# Allegro board 6089-119-RevA_41.brd (continued)
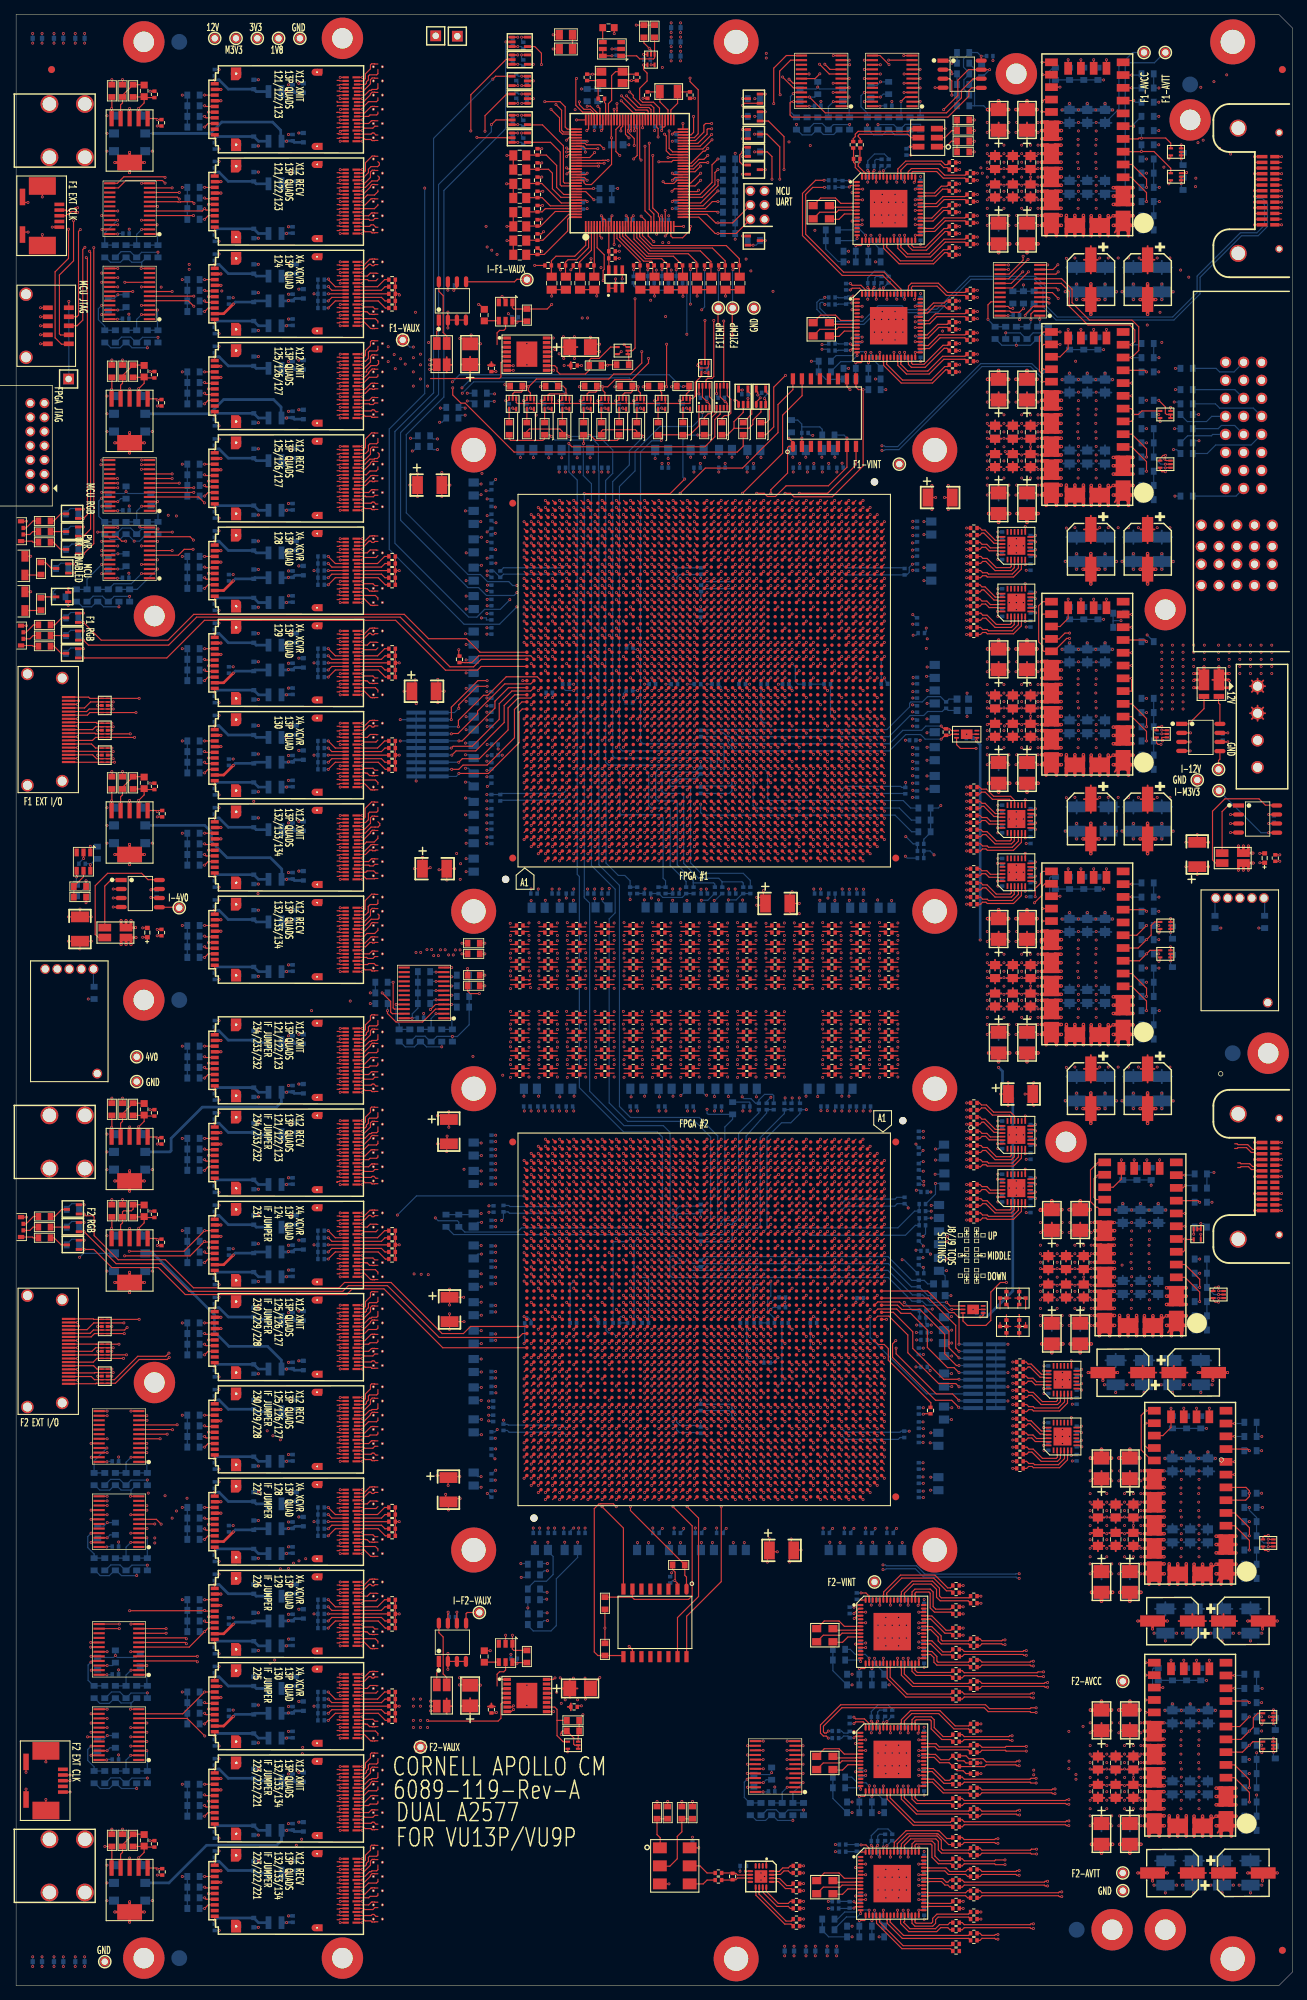
[diagram p0: board, top side]
## Routing (per net, layer and track width the routed paths; a pad name or vN(x,y) marks a point on that pad's centre or on a via; arc(x,y) is an arc through that point) (continued)
; U75.J38 v1(79.61,196.29) ; U77.BA36 v1(81.61,83.51) ; U75.AB27 v1(92.61,185.29) ; R63.1 R64.1 R65.1 ; U8.3 v1(11.5,85.9) ; U75.J43 v1(79.61,201.29) ; U75.T41 v1(86.61,199.29) ; 152.65,199.6 v1(152.65,199.59) ; U77.AR40 v1(87.61,79.51) ; U77.E3 v1(118.39,117.29) ; U75.BF19 v1(117.39,176.51) ; v1(60.9,52.65) 60.9,52.35 60.87,52.31 U46.7 ; U77.BJ21 v1(73.61,99.29) ; U77.T51 v1(107.39,68.51) ; U75.E36 v1(75.61,194.29) ; U75.D1 v1(74.61,158.51) ; U30A.B1 v1(45.69,190.9) ; U37A.A1 v1(48.81,95.9) ; U77.AP15 v1(88.61,105.29) ; U75.C2 v1(73.61,159.51) ; U29A.B7 v1(45.69,200.9) ; U77.AN18 v1(89.61,102.29) ; U75.W12 v1(89.61,169.51) ; U80.3 v1(103.16,223.65) ; U77.AN4 v1(89.61,116.29) ; U75.AY6 v1(111.39,163.51) ; U33A.B4 v1(45.69,150.4) ; 152.65,161.6 v1(152.65,161.59) ; U77.AJ30 v1(93.61,89.51) ; U75.AT41 v1(107.39,199.29) ; U75.AU43 v1(108.39,201.29) ; U77.AW8 v1(83.61,112.29) ; Q16.2 v1(102.4,255.25) ; U75.BF45 v1(117.39,203.29) ; U77.BL16 v1(71.61,104.29) ; U75.AA32 v1(91.61,190.29) ; U77.H34 v1(115.39,85.51) ; U77.K29 v1(113.39,90.51) ; U75.H17 v1(78.61,174.51) ; U77.AH35 v1(94.61,84.51) ; C154.2 C155.2 v1(94,238.05) ; U77.AF7 v1(97.39,113.29) ; U27A.B10 v1(45.69,225.4) ; U75.BK21 v1(121.39,178.51) ; U77.E31 v1(118.39,88.51) ; U75.Y29 v1(90.61,187.29) ; C28.2 v1(65.45,231.36) ; U75.AL16 v1(102.39,173.51) ; U75.AJ32 v1(100.39,190.29) ; U77.AE22 v1(98.39,98.29) ; R67.1 R66.1 R65.1 ; U77.L48 v1(112.39,71.51) ; U28A.B4 v1(45.69,215.4) ; U75.F16 v1(76.61,173.51) ; U77.B19 v1(121.39,101.29) ; U75.W44 v1(89.61,202.29) ; U33A.A4 v1(48.81,150.4) ; U75.BA47 v1(112.39,205.29) ; C136.2 v1(88.36,265.95) ; v1(130.87,209.7) C295.2 ; C295.2 131.4,210.26 v1(131.4,211.4) ; U75.AC14 v1(93.61,171.51) ; U77.AN48 v1(89.61,71.51) ; U75.L47 v1(81.61,205.29) ; U75.P2 v1(84.61,159.51) ; U75.W3 v1(89.61,160.51) ; U57.16 75.72,43.17 75.95,43.4 75.95,43.38 v1(75.97,43.38) ; 177.43,109.22 v1(178.38,109.22) ; U75.AM29 v1(103.39,187.29) ; U75.W18 v1(89.61,175.51) ; U75.A39 v1(71.61,197.29) ; U77.BK31 v1(72.61,88.51) ; U75.AT2 v1(107.39,159.51) ; U77.AR26 v1(87.61,94.29) ; U77.BE3 v1(77.61,117.29) ; U35A.B10 v1(45.69,117.4) ; U75.AA12 v1(91.61,169.51) ; U77.AJ26 v1(93.61,94.29) ; U75.AF17 v1(97.39,174.51) ; U75.F46 v1(76.61,204.29) ; v1(87.02,223.34) 87.33,223.34 87.5,223.51 U69.3 ; U77.E36 v1(118.39,83.51) ; U75.V29 v1(88.61,187.29) ; U77.AK21 v1(92.61,99.29) ; U25A.B1 v1(45.69,255.9) ; U77.K50 v1(113.39,69.51) ; U75.C3 v1(73.61,160.51) ; U77.BK6 v1(72.61,114.29) ; U75.BH41 v1(119.39,199.29) ; U77.K38 v1(113.39,81.51) ; U77.AJ43 v1(93.61,76.51) ; U28A.A13 v1(48.81,210.9) ; U24A.A1 v1(48.81,268.9) ; U77.AT27 v1(86.61,92.51) ; U77.BC8 v1(79.61,112.29) ; U77.AK25 v1(92.61,95.29) ; 81.5,230.9 C95.2 v1(80.96,232.29) ; 81.5,230.9 81.5,230.42 81.67,230.25 v1(82.25,230.25) ; U75.D19 v1(74.61,176.51) ; U27A.A10 v1(48.81,225.4) ; U77.BD2 v1(78.61,118.29) ; U75.AM11 v1(103.39,168.51) ; C23.2 v1(60.01,213.21) ; C23.2 v1(61.15,211.45) ; C23.2 v1(60.01,209.84) ; U77.AW38 v1(83.61,81.51) ; U77.AG20 v1(95.61,100.29) ; 172.31,163.76 v1(171.19,163.76) ; U77.AL40 v1(91.61,79.51) ; U77.D41 v1(119.39,78.51) ; U75.BL48 v1(122.39,206.29) ; U29A.B16 v1(45.69,196.4) ; U75.AJ5 v1(100.39,162.51) ; U77.W48 v1(104.39,71.51) ; U77.BA4 v1(81.61,116.29) ; U75.AY51 v1(111.39,209.29) ; U75.H34 v1(78.61,192.29) ; U75.Y5 v1(90.61,162.51) ; U75.D2 v1(74.61,159.51) ; U75.AU49 v1(108.39,207.29) ; U77.BE12 v1(77.61,108.29) ; U77.BF21 v1(76.61,99.29) ; U75.BH36 v1(119.39,194.29) ; U77.E48 v1(118.39,71.51) ; U77.BG4 v1(75.61,116.29) ; U75.AU3 v1(108.39,160.51) ; U75.H46 v1(78.61,204.29) ; U77.AA48 v1(102.39,71.51) ; C27.2 v1(63.14,93.59) ; C27.2 v1(61.1,92.49) ; C27.2 v1(61.1,94.68) ; U77.R3 v1(108.39,117.29) ; J3.6 v1(4.2,31.55) ; U75.AW44 v1(110.39,202.29) ; U75.AR49 v1(106.39,207.29) ; U75.BD27 v1(115.39,185.29) ; U75.AH12 v1(99.39,169.51) ; U77.AC44 v1(100.39,75.51) ; U21.3 v1(16,106.71) ; U77.D19 v1(119.39,101.29) ; U75.AU28 v1(108.39,186.29) ; R45.1 v1(54.01,186.4) ; R45.1 R46.1 R47.1 ; U75.W22 v1(89.61,179.51) ; U75.AA3 v1(91.61,160.51) ; U77.N47 v1(110.39,72.51) ; U75.AL49 v1(102.39,207.29) ; U77.H31 v1(115.39,88.51) ; U77.AG44 v1(95.61,75.51) ; U75.AD27 v1(94.61,185.29) ; U75.AB7 v1(92.61,164.51) ; Q17.2 v1(103.9,245.25) ; U77.AE34 v1(98.39,85.51) ; U27A.B1 v1(45.69,229.9) ; U75.BE48 v1(116.39,206.29) ; U75.AE40 v1(95.61,198.29) ; U75.AP50 v1(105.39,208.29) ; U75.H1 v1(78.61,158.51) ; P2.8 v1(174.58,255.32) ; U33A.B1 v1(45.69,151.9) ; U75.AL22 v1(102.39,179.51) ; U77.K42 v1(113.39,77.51) ; U77.B33 v1(121.39,86.51) ; U75.AF27 v1(97.39,185.29) ; U75.L36 v1(81.61,194.29) ; U77.D27 v1(119.39,92.51) ; U30A.A7 v1(48.81,187.9) ; U75.C40 v1(73.61,198.29) ; U75.BA4 v1(112.39,161.51) ; U75.BK49 v1(121.39,207.29) ; U75.AA30 v1(91.61,188.29) ; U77.BH51 v1(74.61,68.51) ; U77.AB23 v1(101.39,97.29) ; U75.W4 v1(89.61,161.51) ; J3.8 v1(1.4,30.08) ; U75.AD29 v1(94.61,187.29) ; U75.V31 v1(88.61,189.29) ; v1(107.49,114.31) 107.39,114.31 107.39,114.29 U77.T6 ; U77.BH32 v1(74.61,87.51) ; U28A.B10 v1(45.69,212.4) ; U75.BJ45 v1(120.39,203.29) ; U77.AD23 v1(99.39,97.29) ; U77.BD27 v1(78.61,92.51) ; U75.AY2 v1(111.39,159.51) ; U77.AP29 v1(88.61,90.51) ; U77.G16 v1(116.39,104.29) ; U77.AG48 v1(95.61,71.51) ; U75.BB51 v1(113.39,209.29) ; v1(17.44,205.54) 17.5,205.54 17.5,205.47 U18.12 ; J3.7 v1(4.2,26.25) ; U26A.B4 v1(45.69,241.4) ; U75.U47 v1(87.61,205.29) ; U77.AT11 v1(86.61,109.29) ; U77.AE16 v1(98.39,104.29) ; U25A.B10 v1(45.69,251.4) ; U75.Y11 v1(90.61,168.51) ; U75.BJ21 v1(120.39,178.51) ; U75.BC3 v1(114.39,160.51) ; U43A.B10 v1(45.69,13.4) ; U56.16 v1(75.72,232.18) ; U75.AC22 v1(93.61,179.51) ; U75.K1 v1(80.61,158.51) ; U77.AD46 v1(99.39,73.51) ; U75.AY19 v1(111.39,176.51) ; U75.AC44 v1(93.61,202.29) ; U77.BA5 v1(81.61,115.29) ; U77.BL18 v1(71.61,102.29) ; U112.3 162.15,214.9 162.12,214.93 162,214.93 162,215.11 v1(161.92,215.11) ; U75.D46 v1(74.61,204.29) ; U77.BK36 v1(72.61,83.51) ; U77.U30 v1(106.39,89.51) ; J6.17 v1(8.82,92.96) ; U75.AB10 v1(92.61,167.51) ; U75.BL18 v1(122.39,175.51) ; U77.AJ28 v1(93.61,91.51) ; U41A.B16 v1(45.69,36.4) ; U77.AH12 v1(94.61,108.29) ; U77.M6 v1(111.39,114.29) ; J4.9 v1(3.44,231.36) ; U77.H35 v1(115.39,84.51) ; U77.Y37 v1(103.39,82.51) ; R19.1 v1(13.5,22.07) ; U77.AB47 v1(101.39,72.51) ; U77.AG36 v1(95.61,83.51) ; U75.AW4 v1(110.39,161.51) ; U77.AR49 v1(87.61,70.51) ; U75.AU4 v1(108.39,161.51) ; U75.A26 v1(71.42,183.9) ; U43A.B16 v1(45.69,10.4) ; U77.BG21 v1(75.61,99.29) ; U77.BG16 v1(75.61,104.29) ; U75.BG36 v1(118.39,194.29) ; U75.AM15 v1(103.39,172.51) ; U75.AD33 v1(94.61,191.29) ; C19.2 v1(19.9,104.3) ; U75.AN40 v1(104.39,198.29) ; J3.9 v1(1.4,27.72) ; C41.2 C40.2 v1(69.2,245.9) ; U75.U13 v1(87.61,170.51) ; U75.AF50 v1(97.39,208.29) ; U77.AB19 v1(101.39,101.29) ; U77.F20 v1(117.39,100.29) ; U31A.B16 v1(45.69,170.4) ; U75.AG48 v1(98.39,206.29) ; U75.D33 v1(74.61,191.29) ; v1(161.5,176.93) 161.62,176.93 161.65,176.9 U110.3 ; U77.W34 v1(104.39,85.51) ; U77.K14 v1(113.39,106.29) ; U75.V10 v1(88.61,167.51) ; U77.AL36 v1(91.61,83.51) ; U77.AF17 v1(97.39,103.29) ; U77.BF19 v1(76.61,101.29) ; U77.AL47 v1(91.61,72.51) ; U77.BJ9 v1(73.61,111.29) ; U75.AU18 v1(108.39,175.51) ; U75.J4 v1(79.61,161.51) ; U77.BE37 v1(77.61,82.51) ; U77.AA24 v1(102.39,96.29) ; U77.V45 v1(105.39,74.51) ; v1(60.7,117.54) 60.7,118.34 C26.2 ; U75.AD5 v1(94.61,162.51) ; U39A.B19 v1(45.69,60.9) ; U77.BJ18 v1(73.61,102.29) ; U68.114 80.1,254.8 v1(80.5,254.4) ; U42A.B4 v1(45.69,29.4) ; U75.D27 v1(74.61,185.29) ; U75.AA24 v1(91.61,181.51) ; U75.AN14 v1(104.39,171.51) ; U75.BC4 v1(114.39,161.51) ; 136.32,95.3 v1(134.9,95.3) ; U77.BE5 v1(77.61,115.29) ; U77.AF15 v1(97.39,105.29) ; U75.AB2 v1(92.61,159.51) ; U75.K7 v1(80.61,164.51) ; U75.AR3 v1(106.39,160.51) ; U77.M38 v1(111.39,81.51) ; U77.AU47 v1(85.61,72.51) ; U42A.A16 v1(48.81,23.4) ; U75.AD1 v1(94.61,158.51) ; U77.AC34 v1(100.39,85.51) ; R12.1 v1(9.86,155.7) ; U77.AU48 v1(85.61,71.51) ; U75.AH33 v1(99.39,191.29) ; U75.H15 v1(78.61,172.51) ; U75.C16 v1(73.61,173.51) ; U77.BJ36 v1(73.61,83.51) ; U75.W28 v1(89.61,186.29) ; U77.AA40 v1(102.39,79.51) ; U75.BK20 v1(121.39,177.51) ; U77.AM17 v1(90.61,103.29) ; U75.R34 v1(85.61,192.29) ; U77.M33 v1(111.39,86.51) ; U77.BC12 v1(79.61,108.29) ; U75.B47 v1(72.61,205.29) ; U77.F5 v1(117.39,115.29) ; U77.AM46 v1(90.61,73.51) ; U75.BF33 v1(117.39,191.29) ; U75.G4 v1(77.61,161.51) ; U77.BL44 v1(71.61,75.51) ; C38.2 C39.2 v1(69.18,247.9) ; U75.BF42 v1(117.39,200.29) ; U77.U28 v1(106.39,91.51) ; U25A.A19 v1(48.81,246.9) ; U75.N5 v1(83.61,162.51) ; U77.AC48 v1(100.39,71.51) ; U75.W30 v1(89.61,188.29) ; U77.BE17 v1(77.61,103.29) ; U107.13 v1(153.7,195.38) ; U77.BC47 v1(79.61,72.51) ; U77.L16 v1(112.39,104.29) ; U77.AV42 v1(84.61,77.51) ; U77.AB35 v1(101.39,84.51) ; U77.G21 v1(116.39,99.29) ; U77.F21 v1(117.39,99.29) ; U77.BH46 v1(74.61,73.51) ; U77.AR47 v1(87.61,72.51) ; U75.AL8 v1(102.39,165.51) ; U75.N38 v1(83.61,196.29) ; U77.H20 v1(115.39,100.29) ; U77.AN22 v1(89.61,98.29) ; U77.AD25 v1(99.39,95.29) ; C12.2 v1(18.89,123.45) ; U77.AA4 v1(102.39,116.29) ; U77.AW4 v1(83.61,116.29) ; C17.2 v1(19.89,148.85) ; U77.AL8 v1(91.61,112.29) ; U77.AG24 v1(95.61,96.29) ; U75.BE16 v1(116.39,173.51) ; U77.AN30 v1(89.61,89.51) ; U75.AR4 v1(106.39,161.51) ; U77.AD39 v1(99.39,80.51) ; U75.AG32 v1(98.39,190.29) ; U75.BL34 v1(122.39,192.29) ; U77.D7 v1(119.39,113.29) ; U77.H36 v1(115.39,83.51) ; U77.AA49 v1(102.39,70.51) ; U75.E49 v1(75.61,207.29) ; U75.AA43 v1(91.61,201.29) ; U77.F19 v1(117.39,101.29) ; U75.R24 v1(85.61,181.51) ; U77.AM6 v1(90.61,114.29) ; U77.B5 v1(121.39,115.29) ; U75.AL32 v1(102.39,190.29) ; U37A.B7 v1(45.69,92.9) ; U75.AN43 v1(104.39,201.29) ; U75.R48 v1(85.61,206.29) ; U75.H21 v1(78.61,178.51) ; U27A.B19 v1(45.69,220.9) ; U77.AY1 v1(82.61,119.29) ; U31A.A16 v1(48.81,170.4) ; U75.AE4 v1(95.61,161.51) ; U77.BF42 v1(76.61,77.51) ; U75.BG34 v1(118.39,192.29) ; C115.2 v1(84.31,275.06) ; U27A.A1 v1(48.81,229.9) ; U75.BE24 v1(116.39,181.51) ; U77.F16 v1(117.39,104.29) ; U77.V31 v1(105.39,88.51) ; U77.AY29 v1(82.61,90.51) ; U77.F2 v1(117.39,118.29) ; U75.F33 v1(76.61,191.29) ; U75.V51 v1(88.61,209.29) ; U75.H41 v1(78.61,199.29) ; U77.R24 v1(108.39,96.29) ; U75.BC40 v1(114.39,198.29) ; U77.AW5 v1(83.61,115.29) ; U77.AV15 v1(84.61,105.29) ; U26A.A16 v1(48.81,235.4) ; U3.8 v1(13.5,180.4) ; U75.AW12 v1(110.39,169.51) ; U75.AD50 v1(94.61,208.29) ; R15.1 v1(13.5,229.07) ; U75.T50 v1(86.61,208.29) ; U77.AB37 v1(101.39,82.51) ; U75.BC14 v1(114.39,171.51) ; U77.AN9 v1(89.61,111.29) ; U34A.B19 v1(45.69,125.9) ; U77.G31 v1(116.39,88.51) ; U75.H31 v1(78.61,189.29) ; U77.AT51 v1(86.61,68.51) ; U75.AP33 v1(105.39,191.29) ; U77.AM11 v1(90.61,109.29) ; U77.AJ5 v1(93.61,115.29) ; U75.L14 v1(81.61,171.51) ; U77.H51 v1(115.39,68.51) ; U75.A13 v1(71.61,170.51) ; U75.U30 v1(87.61,188.29) ; U77.AG32 v1(95.61,87.51) ; U77.AC8 v1(100.39,112.29) ; U75.M11 v1(82.61,168.51) ; U77.F36 v1(117.39,83.51) ; U77.L4 v1(112.39,116.29) ; U77.BJ34 v1(73.61,85.51) ; U24A.A7 v1(48.81,265.9) ; U75.AF25 v1(97.39,182.51) ; U75.F14 v1(76.61,171.51) ; U32A.A10 v1(48.81,160.4) ; U75.AF37 v1(97.39,195.29) ; U75.L4 v1(81.61,161.51) ; U77.BK4 v1(72.61,116.29) ; U39A.A4 v1(48.81,68.4) ; v1(68.25,43.4) 68.47,43.17 U57.1 ; U66.3 86.05,230.9 v1(85.7,231.25) ; U77.J14 v1(114.39,106.29) ; U77.AG40 v1(95.61,79.51) ; U75.AU47 v1(108.39,205.29) ; U77.AW49 v1(83.61,70.51) ; U77.AK2 v1(92.61,118.29) ; U53.3 v1(71.28,266.56) ; U77.H25 v1(115.39,95.29) ; U75.BD38 v1(115.39,196.29) ; U77.AU4 v1(85.61,116.29) ; U75.AT29 v1(107.39,187.29) ; U77.B49 v1(121.39,70.51) ; U75.BE33 v1(116.39,191.29) ; U115.3 v1(164.24,259.38) ; U77.AD33 v1(99.39,86.51) ; U77.D45 v1(119.39,74.51) ; U75.AT27 v1(107.39,185.29) ; U75.AB15 v1(92.61,172.51) ; U77.BE16 v1(77.61,104.29) ; U20.3 v1(16,121.01) ; U28A.B7 v1(45.69,213.9) ; U75.K47 v1(80.61,205.29) ; U77.AU30 v1(85.61,89.51) ; U77.B10 v1(121.39,110.29) ; U77.AF2 v1(97.39,118.29) ; U77.BH31 v1(74.61,88.51) ; U77.AL20 v1(91.61,100.29) ; U75.AP10 v1(105.39,167.51) ; U77.AM33 v1(90.61,86.51) ; U75.F31 v1(76.61,189.29) ; v1(60.75,119.73) 60.75,118.89 C26.2 ; U77.BJ17 v1(73.61,103.29) ; U75.AR22 v1(106.39,179.51) ; U77.B45 v1(121.39,74.51) ; U75.A21 v1(71.61,178.51) ; U77.J47 v1(114.39,72.51) ; P3.2 v1(174.58,118.83) ; U75.K38 v1(80.61,196.29) ; U75.AA16 v1(91.61,173.51) ; U77.AK47 v1(92.61,72.51) ; U77.D15 v1(119.39,105.29) ; U77.AM38 v1(90.61,81.51) ; U75.AF42 v1(97.39,200.29) ; C26.2 v1(59.4,118.64) ; U75.R4 v1(85.61,161.51) ; U77.AM31 v1(90.61,88.51) ; U77.BG31 v1(75.61,88.51) ; U77.AR44 v1(87.61,75.51) ; U77.M1 v1(111.39,119.29) ; U75.BA26 v1(112.39,184.29) ; U77.AT50 v1(86.61,69.51) ; U77.AB25 v1(101.39,95.29) ; U75.BB38 v1(113.39,196.29) ; P2.20 v1(174.58,250.53) ; U77.J3 v1(114.39,117.29) ; U75.AF10 v1(97.39,167.51) ; U75.V7 v1(88.61,164.51) ; U75.U14 v1(87.61,171.51) ; U77.AW32 v1(83.61,87.51) ; U77.AM15 v1(90.61,105.29) ; U77.AT25 v1(86.61,95.29) ; U77.AB15 v1(101.39,105.29) ; U27A.A4 v1(48.81,228.4) ; U77.BB45 v1(80.61,74.51) ; J4.5 v1(3.44,233.9) ; U38A.A4 v1(48.81,81.4) ; U77.A34 v1(122.39,85.51) ; U75.K5 v1(80.61,162.51) ; U77.B38 v1(121.39,81.51) ; v1(69.18,257.9) C34.2 C35.2 ; U77.AK31 v1(92.61,88.51) ; U75.AW40 v1(110.39,198.29) ; U75.AP47 v1(105.39,205.29) ; 153.7,270.18 v1(153.7,271.38) ; U77.BA47 v1(81.61,72.51) ; U75.AG22 v1(98.39,179.51) ; U75.BD2 v1(115.39,159.51) ; U77.AJ47 v1(93.61,72.51) ; U75.G49 v1(77.61,207.29) ; v1(127.89,80.54) 127.94,80.6 R140.2 ; U75.L38 v1(81.61,196.29) ; U77.AP1 v1(88.61,119.29) ; U75.C7 v1(73.61,164.51) ; U77.AV50 v1(84.61,69.51) ; U75.M38 v1(82.61,196.29) ; U75.BG48 v1(118.39,206.29) ; U77.F38 v1(117.39,81.51) ; v1(65.3,139.8) 64,139.8 63.64,140.16 R79.2 ; U75.P5 v1(84.61,162.51) ; U77.AR8 v1(87.61,112.29) ; U77.BE14 v1(77.61,106.29) ; U6.8 v1(13.5,92.9) ; U75.BG17 v1(118.39,174.51) ; U77.BB5 v1(80.61,115.29) ; U42A.B16 v1(45.69,23.4) ; U77.BK19 v1(72.61,101.29) ; U77.AD19 v1(99.39,101.29) ; U75.Y1 v1(90.61,158.51) ; C194.2 C193.2 v1(100,238.08) ; U102.12 v1(145.43,242.47) ; U77.AA16 v1(102.39,104.29) ; U75.AW49 v1(110.39,207.29) ; U77.AJ36 v1(93.61,83.51) ; U77.BL21 v1(71.61,99.29) ; U77.AN32 v1(89.61,87.51) ; Q1.2 v1(8.1,200.35) ; U29A.B13 v1(45.69,197.9) ; U77.AH17 v1(94.61,103.29) ; U77.BD1 v1(78.61,119.29) ; U75.AG34 v1(98.39,192.29) ; C96.2 81.5,41.9 81.5,42.65 v1(82.28,43.43) ; C96.2 80.2,42.66 v1(80.2,43.35) ; P2.19 v1(178.38,250.53) ; U77.BJ22 v1(73.61,98.29) ; U75.AD51 v1(94.61,209.29) ; U77.P51 v1(109.39,68.51) ; U75.Y46 v1(90.61,204.29) ; U77.BK32 v1(72.61,87.51) ; U77.BL8 v1(71.61,112.29) ; v1(67.7,38.5) 67.65,38.45 C33.2 ; U77.C36 v1(120.39,83.51) ; U77.AJ16 v1(93.61,104.29) ; U77.AR38 v1(87.61,81.51) ; U32A.B4 v1(45.69,163.4) ; U75.BL44 v1(122.39,202.29) ; U77.R44 v1(108.39,75.51) ; U75.BK7 v1(121.39,164.51) ; U77.BA38 v1(81.61,81.51) ; U77.BG49 v1(75.61,70.51) ; U77.AA3 v1(102.39,117.29) ; U75.AR47 v1(106.39,205.29) ; U77.BJ43 v1(73.61,76.51) ; U77.AU26 v1(85.61,94.29) ; U77.AE28 v1(98.39,91.51) ; U77.AT41 v1(86.61,78.51) ; U75.AC24 v1(93.61,181.51) ; U75.AP35 v1(105.39,193.29) ; U75.AF45 v1(97.39,203.29) ; U75.B38 v1(72.61,196.29) ; U64.2 v1(84,272.9) ; U28A.A4 v1(48.81,215.4) ; U77.AK7 v1(92.61,113.29) ; U34A.B4 v1(45.69,133.4) ; U75.F45 v1(76.61,203.29) ; U77.AD47 v1(99.39,72.51) ; U77.R47 v1(108.39,72.51) ; U77.H6 v1(115.39,114.29) ; U75.AD35 v1(94.61,193.29) ; U33A.B13 v1(45.69,145.9) ; U77.R40 v1(108.39,79.51) ; U77.C8 v1(120.39,112.29) ; U75.AH29 v1(99.39,187.29) ; U75.BD51 v1(115.39,209.29) ; U77.A9 v1(122.39,111.29) ; U77.E45 v1(118.39,74.51) ; U75.AT11 v1(107.39,168.51) ; U75.AF47 v1(97.39,205.29) ; U26A.B13 v1(45.69,236.9) ; U75.AE18 v1(95.61,175.51) ; U75.AG40 v1(98.39,198.29) ; U75.BB23 v1(113.39,180.51) ; U75.P1 v1(84.61,158.51) ; U77.BG36 v1(75.61,83.51) ; U75.AJ36 v1(100.39,194.29) ; U77.AY5 v1(82.61,115.29) ; U39A.A7 v1(48.81,66.9) ; U77.AF23 v1(97.39,97.29) ; U77.D51 v1(119.39,68.51) ; U77.BE18 v1(77.61,102.29) ; U75.BH20 v1(119.39,177.51) ; U32A.B19 v1(45.69,155.9) ; U77.H41 v1(115.39,78.51) ; U32A.B16 v1(45.69,157.4) ; U77.C35 v1(120.39,84.51) ; U75.BJ2 v1(120.39,159.51) ; U75.AC18 v1(93.61,175.51) ; U77.BE36 v1(77.61,83.51) ; U75.M6 v1(82.61,163.51) ; U77.BK14 v1(72.61,106.29) ; U75.AH25 v1(99.39,182.51) ; U75.J40 v1(79.61,198.29) ; U77.R34 v1(108.39,85.51) ; U39A.A19 v1(48.81,60.9) ; U75.H38 v1(78.61,196.29) ; U77.AY51 v1(82.61,68.51) ; U75.AJ24 v1(100.39,181.51) ; U27A.B13 v1(45.69,223.9) ; U55.3 v1(70.72,259.74) ; U77.AP17 v1(88.61,103.29) ; U77.H33 v1(115.39,86.51) ; U75.BK33 v1(121.39,191.29) ; U14.12 v1(17.7,253.97) ; U75.AP27 v1(105.39,185.29) ; U75.AN49 v1(104.39,207.29) ; U77.P47 v1(109.39,72.51) ; U77.AJ4 v1(93.61,116.29) ; U75.BC38 v1(114.39,196.29) ; U46.4 U46.3 U46.2 ; U77.K45 v1(113.39,74.51) ; U75.AG36 v1(98.39,194.29) ; U41A.B19 v1(45.69,34.9) ; U77.BE34 v1(77.61,85.51) ; U75.BB33 v1(113.39,191.29) ; U77.BK46 v1(72.61,73.51) ; U77.AF51 v1(97.39,68.51) ; U75.AE36 v1(95.61,194.29) ; U75.AB1 v1(92.61,158.51) ; U75.AN5 v1(104.39,162.51) ; U17.12 v1(17.7,214.97) ; U77.AE48 v1(98.39,71.51) ; U77.AC36 v1(100.39,83.51) ; U75.B49 v1(72.61,207.29) ; U75.AH35 v1(99.39,193.29) ; U32A.B13 v1(45.69,158.9) ; U77.BA3 v1(81.61,117.29) ; U30A.A16 v1(48.81,183.4) ; 63.75,42.4 62.51,42.4 v1(62.5,42.39) ; 63.75,42.4 63.96,42.4 C29.2 v1(65.45,42.36) ; U83.12 v1(108.7,34.48) ; U32A.B7 v1(45.69,161.9) ; U28A.A7 v1(48.81,213.9) ; U77.B36 v1(121.39,83.51) ; U75.G21 v1(77.61,178.51) ; U77.A43 v1(122.39,76.51) ; U75.D51 v1(74.61,209.29) ; U77.AD1 v1(99.39,119.29) ; C544.2 v1(178.13,159.35) ; U34A.A19 v1(48.81,125.9) ; U77.AB1 v1(101.39,119.29) ; U75.AP37 v1(105.39,195.29) ; U75.BF10 v1(117.39,167.51) ; U75.BH19 v1(119.39,176.51) ; U38A.A1 v1(48.81,82.9) ; U75.AK47 v1(101.39,205.29) ; v1(1.68,251.28) 1.07,251.28 0.9,251.44 J2.8 ; U75.G40 v1(77.61,198.29) ; U75.A9 v1(71.61,166.51) ; U75.AH5 v1(99.39,162.51) ; U77.BC48 v1(79.61,71.51) ; J2.9 0.9,246.93 1.07,247.1 v1(1.7,247.1) ; U75.H51 v1(78.61,209.29) ; 164.31,175.26 v1(165.5,175.26) ; U75.AE47 v1(95.61,205.29) ; U75.W49 v1(89.61,207.29) ; U75.M1 v1(82.61,158.51) ; U75.BJ22 v1(120.39,179.51) ; P2.25 v1(178.38,248.12) ; R109.1 v1(95.35,25.97) ; U75.AA26 v1(91.61,184.29) ; Q11.2 v1(9.6,105.05) ; U77.AA18 v1(102.39,102.29) ; U75.AP45 v1(105.39,203.29) ; U77.AK5 v1(92.61,115.29) ; U75.BJ48 v1(120.39,206.29) ; R106.1 82.56,228.35 83.34,228.35 v1(83.35,228.34) 83.41,228.4 R116.1 ; U77.BG35 v1(75.61,84.51) ; U75.AJ30 v1(100.39,188.29) ; U77.AW3 v1(83.61,117.29) ; U77.BC38 v1(79.61,81.51) ; U75.BK38 v1(121.39,196.29) ; U77.F33 v1(117.39,86.51) ; U75.AL30 v1(102.39,188.29) ; U75.AB50 v1(92.61,208.29) ; U37A.A10 v1(48.81,91.4) ; U77.BD46 v1(78.61,73.51) ; U75.AK23 v1(101.39,180.51) ; U75.AA5 v1(91.61,162.51) ; U75.A7 v1(71.61,164.51) ; U32A.A4 v1(48.81,163.4) ; U75.J49 v1(79.61,207.29) ; U77.Y23 v1(103.39,97.29) ; U77.U47 v1(106.39,72.51) ; U75.BE18 v1(116.39,175.51) ; U77.B23 v1(121.39,97.29) ; U77.AM35 v1(90.61,84.51) ; U77.BE47 v1(77.61,72.51) ; U40A.B1 v1(45.69,56.9) ; v1(90.02,223.34) 90.33,223.34 90.5,223.51 U73.3 ; U22.3 v1(16,18.01) ; U126.3 v1(177.24,34.88) ; U29A.B19 v1(45.69,194.9) ; U75.BC20 v1(114.39,177.51) ; U75.BF31 v1(117.39,189.29) ; P2.14 v1(174.58,252.93) ; U77.BD50 v1(78.61,69.51) ; U75.T1 v1(86.61,158.51) ; U77.AA38 v1(102.39,81.51) ; U77.H32 v1(115.39,87.51) ; U77.BH15 v1(74.61,105.29) ; U75.AM23 v1(103.39,180.51) ; U32A.B1 v1(45.69,164.9) ; v1(165,255.5) 165,255.4 U116.3 ; U25A.A1 v1(48.81,255.9) ; U77.R5 v1(108.39,115.29) ; U75.AD47 v1(94.61,205.29) ; U75.D7 v1(74.61,164.51) ; U77.W4 v1(104.39,116.29) ; U77.Y1 v1(103.39,119.29) ; U75.BF21 v1(117.39,178.51) ; U75.BJ7 v1(120.39,164.51) ; U75.BF50 v1(117.39,208.29) ; U108.13 v1(153.7,157.38) ; U75.F50 v1(76.61,208.29) ; U75.AN28 v1(104.39,186.29) ; U40A.B13 v1(45.69,50.9) ; U77.D16 v1(119.39,104.29) ; U77.AC26 v1(100.39,94.29) ; U77.AM29 v1(90.61,90.51) ; U75.BL40 v1(122.39,198.29) ; U77.D33 v1(119.39,86.51) ; U75.N30 v1(83.61,188.29) ; R24.2 v1(15,125.07) ; U75.M46 v1(82.61,204.29) ; U77.AC39 v1(100.39,80.51) ; v1(90,238.08) C137.2 C135.2 ; U75.AF40 v1(97.39,198.29) 